# Altium PCB STM32最小系统.PcbDoc (part 2 of 4) (continued)
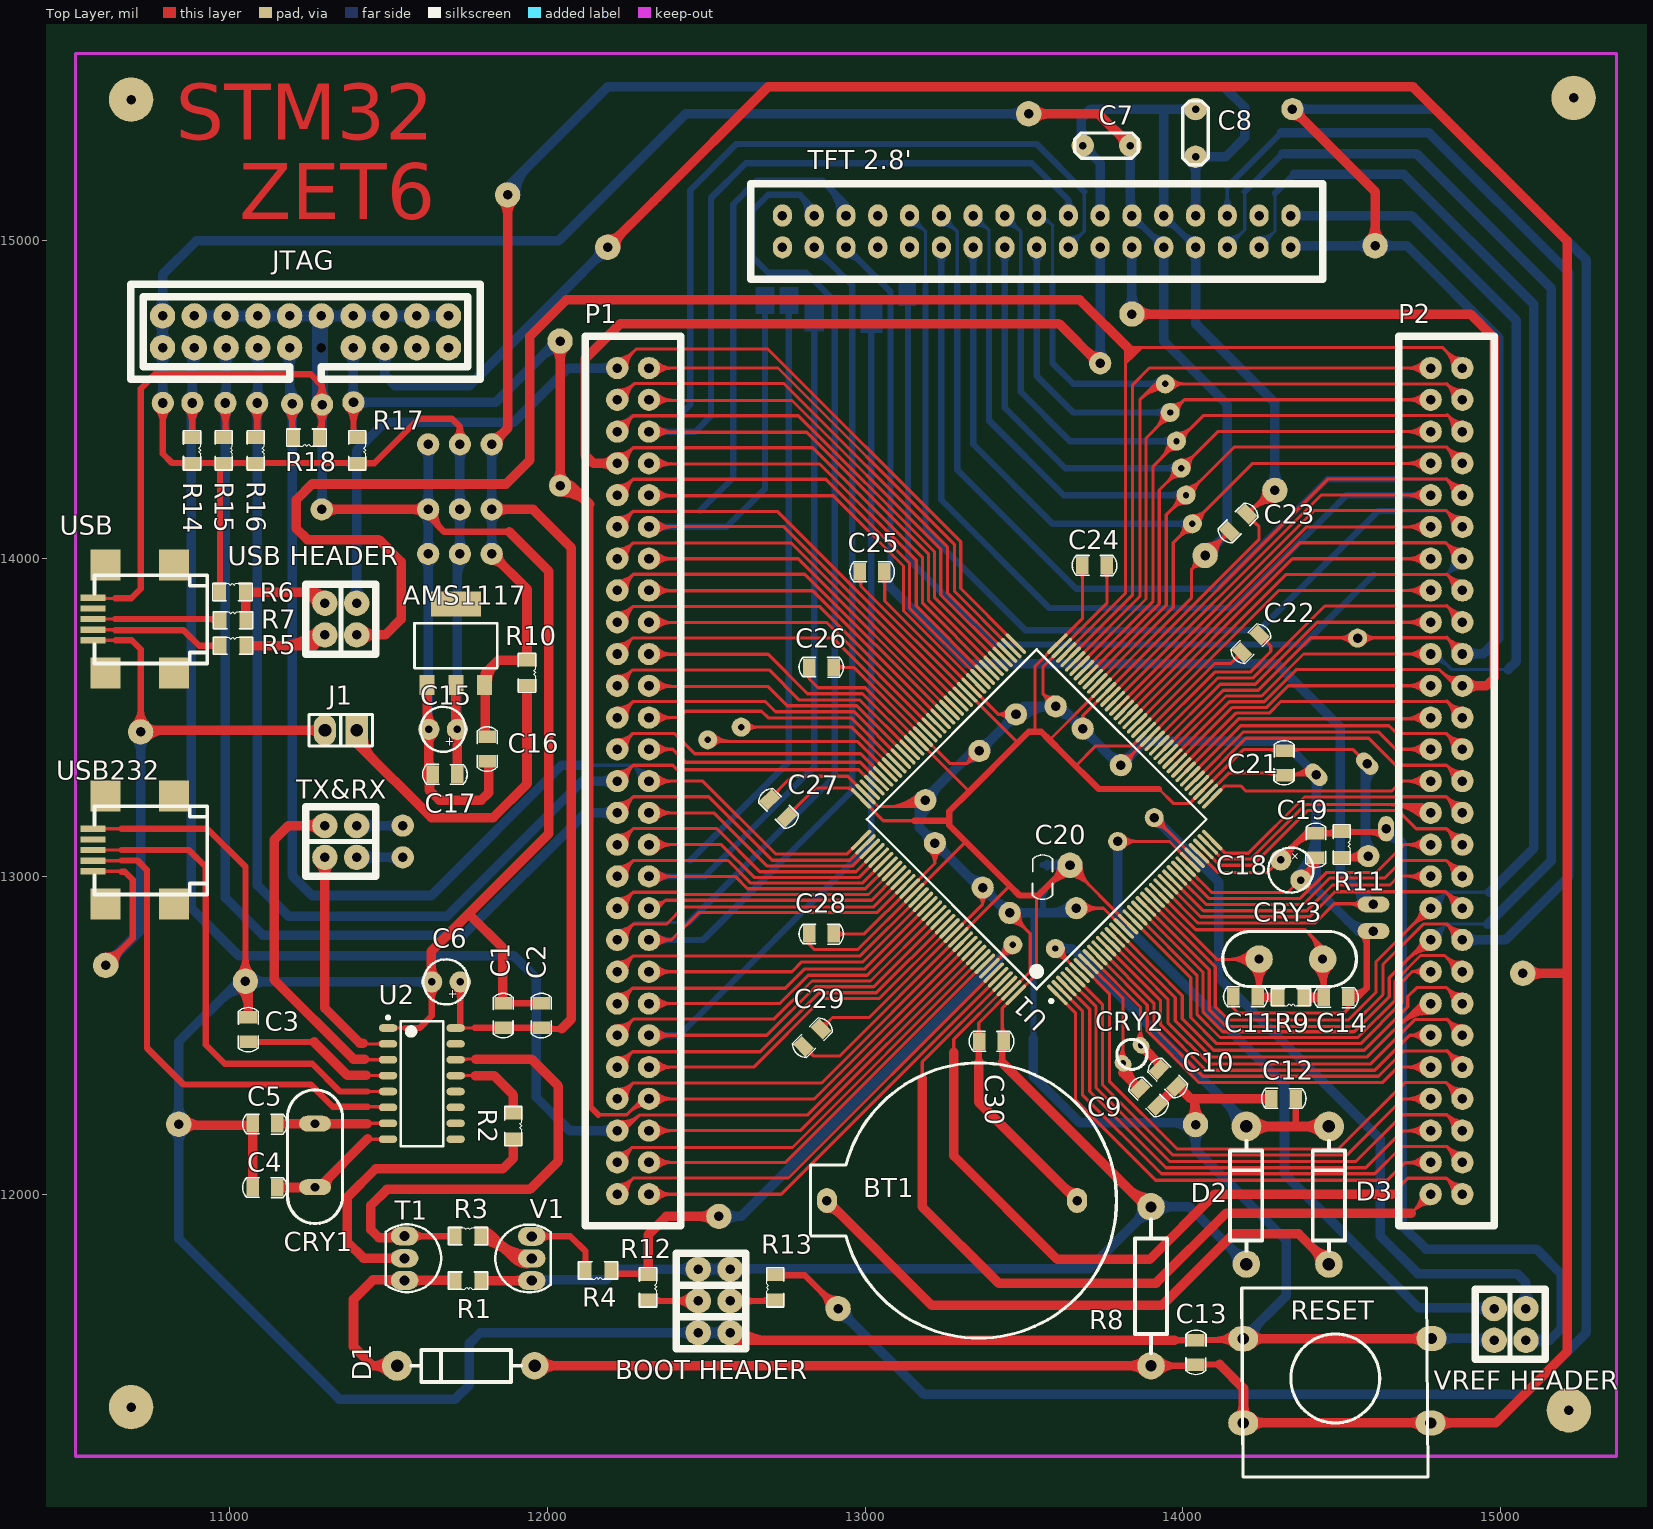
[diagram p0: Top Layer view]
## Nets (pads, with @x,y where several pads share a name; then routed paths per layer and width w, separated by ;. In a path a pad name is that pad's centre, name@x,y a point inside that pad or via, vN(x,y) a via of type N, cw(c..) or ccw(c..) an arc to the next point about the centre after c; other vN are vias at no path point) (continued)
  Bottom Layer w50: pad.13@11285,14487 JTAG.12@11285,14731 ; 11285,14523.63 ccw(c11329.63,14523.63) 11298.07,14492.07 cw(c11329.63,14523.63) 11285,14523.63 ; 11285,14718.13 cw(c11334.87,14718.13) 11299.61,14753.39 ccw(c11334.87,14718.13) 11285,14718.13
JTCK: JTAG.9 P1.27 pad.12@11197,14487 R18.2 U1.109 | length 5348.1
  Top Layer w10: P1.27@12320,13300 12489,13300 12718,13071 12943.82,13071 U1.109@12987.4,13114.58 ; 12368.28,13300 cw(c12368.28,13348.28) 12334.14,13314.14 ccw(c12368.28,13348.28) 12368.28,13300 ; 12368.28,13300 ccw(c12368.28,13251.72) 12334.14,13285.86 cw(c12368.28,13251.72) 12368.28,13300 ; 12392.43,13300 cw(c12392.43,13372.43) 12341.21,13321.21 ccw(c12392.43,13372.43) 12392.43,13300 ; 12392.43,13300 ccw(c12392.43,13227.57) 12341.21,13278.79 cw(c12392.43,13227.57) 12392.43,13300
  Top Layer w20: pad.12@11197,14487 11197,14388 R18.2@11201,14384 ; 11197,14426.64 cw(c11257.36,14426.64) 11214.68,14469.32 ccw(c11257.36,14426.64) 11197,14426.64 ; 11197,14426.64 ccw(c11136.64,14426.64) 11179.32,14469.32 cw(c11136.64,14426.64) 11197,14426.64 ; 11197,14426.3 ccw(c11237.45,14426.3) 11208.85,14397.69 cw(c11237.45,14426.3) 11197,14426.3
  Bottom Layer w10: 12120,13350 12270,13350 ; P1.27@12320,13300 12270,13350 ; 12270,13350 cw(c12221.69,13301.69) 12290,13300.51 ccw(c12221.69,13301.69) 12270,13350 ; 12270,13350 ccw(c12318.31,13398.31) 12319.49,13330 cw(c12318.31,13398.31) 12270,13350 ; 12286.67,13333.33 cw(c12254.46,13301.12) 12300,13300.34 ccw(c12254.46,13301.12) 12286.67,13333.33 ; 12286.67,13333.33 ccw(c12318.88,13365.54) 12319.66,13320 cw(c12318.88,13365.54) 12286.67,13333.33
  Bottom Layer w30: JTAG.9@11189,14664 11189,14491 pad.12@11195,14485 ; pad.12@11197,14487 11197,13003 11260,12940 11635,12940 12045,13350 12120,13350 ; 11189,14603.64 cw(c11249.36,14603.64) 11206.68,14646.32 ccw(c11249.36,14603.64) 11189,14603.64 ; 11189,14603.64 ccw(c11128.64,14603.64) 11171.32,14646.32 cw(c11128.64,14603.64) 11189,14603.64 ; 11197,14438.72 cw(c11245.28,14438.72) 11211.14,14472.86 ccw(c11245.28,14438.72) 11197,14438.72 ; 11197,14438.72 ccw(c11148.72,14438.72) 11182.86,14472.86 cw(c11148.72,14438.72) 11197,14438.72 ; 11189,14554.6 ccw(c11264.6,14554.6) 11211.14,14501.14 cw(c11264.6,14554.6) 11189,14554.6
JTDI: JTAG.5 P1.26 pad.9@10987,14490 R15.1 U1.110 | length 5468.8
  Top Layer w10: P1.26@12220,13200 12271,13251 ; U1.110@13001.32,13100.66 12951.66,13051 12708,13051 12508,13251 12271,13251 ; 12254,13234 cw(c12220.2,13267.79) 12220.06,13220 ccw(c12220.2,13267.79) 12254,13234 ; 12254,13234 ccw(c12287.79,13200.2) 12240,13200.06 cw(c12287.79,13200.2) 12254,13234 ; 12271,13251 cw(c12220.3,13301.69) 12220.09,13230 ccw(c12220.3,13301.69) 12271,13251 ; 12271,13251 ccw(c12321.69,13200.3) 12250,13200.09 cw(c12321.69,13200.3) 12271,13251
  Top Layer w20: R15.1@10987,14382 pad.9@10987,14490 ; 10987,14429.64 cw(c11047.36,14429.64) 11004.68,14472.32 ccw(c11047.36,14429.64) 10987,14429.64 ; 10987,14429.64 ccw(c10926.64,14429.64) 10969.32,14472.32 cw(c10926.64,14429.64) 10987,14429.64 ; 10987,14416.07 ccw(c11026.92,14416.07) 10998.69,14387.85 cw(c11026.92,14416.07) 10987,14416.07
  Top Layer w30: R15.1@10987,14382 R15.1@10989,14380
  Bottom Layer w30: pad.9@10987,14490 10987,12933 11105,12815 11735,12815 12120,13200 P1.26@12220,13200 ; JTAG.5@10989,14664 10989,14487 pad.9@10992,14487 ; 10987,14441.72 cw(c11035.28,14441.72) 11001.14,14475.86 ccw(c11035.28,14441.72) 10987,14441.72 ; 10987,14441.72 ccw(c10938.72,14441.72) 10972.86,14475.86 cw(c10938.72,14441.72) 10987,14441.72 ; 10989,14603.64 cw(c11049.36,14603.64) 11006.68,14646.32 ccw(c11049.36,14603.64) 10989,14603.64 ; 10989,14603.64 ccw(c10928.64,14603.64) 10971.32,14646.32 cw(c10928.64,14603.64) 10989,14603.64 ; 12171.72,13200 cw(c12171.72,13151.72) 12205.86,13185.86 ccw(c12171.72,13151.72) 12171.72,13200 ; 12171.72,13200 ccw(c12171.72,13248.28) 12205.86,13214.14 cw(c12171.72,13248.28) 12171.72,13200 ; pad.9@10972.86,14504.14 ccw(c10933.89,14543.11) 10989,14543.11 cw(c10933.89,14543.11) pad.9@10972.86,14504.14 ; 10989,14533.46 ccw(c11030.46,14533.46) 11001.14,14504.14 cw(c11030.46,14533.46) 10989,14533.46
JTDO: JTAG.13 P1.7 pad.3@12040,14230 pad.11@11390,14492 pad.27 R17.1 U1.133 | length 7331
  Top Layer w10: pad.3@12025,14220 pad.3@12040,14230 ; 12160,12250 12250,12250 12300,12300 P1.7@12320,12300 12840.95,12300 U1.133@13321.47,12780.51 ; 12368.28,12300 cw(c12368.28,12348.28) 12334.14,12314.14 ccw(c12368.28,12348.28) 12368.28,12300 ; 12368.28,12300 ccw(c12368.28,12251.72) 12334.14,12285.86 cw(c12368.28,12251.72) 12368.28,12300 ; 12392.43,12300 cw(c12392.43,12372.43) 12341.21,12321.21 ccw(c12392.43,12372.43) 12392.43,12300 ; 12392.43,12300 ccw(c12392.43,12227.57) 12341.21,12278.79 cw(c12392.43,12227.57) 12392.43,12300 ; 12255.86,12255.86 cw(c12314.49,12197.23) 12318.93,12280.03 ccw(c12314.49,12197.23) 12255.86,12255.86 ; 12271.72,12271.72 cw(c12316.11,12227.33) 12319.46,12290.01 ccw(c12316.11,12227.33) 12271.72,12271.72 ; 12282.93,12282.93 ccw(c12265.86,12300) 12290,12300 cw(c12265.86,12300) 12282.93,12282.93
  Top Layer w20: R17.1@11390,14386 pad.11@11390,14492 ; 12130,12280 12160,12250 ; 11390,14431.64 cw(c11450.36,14431.64) 11407.68,14474.32 ccw(c11450.36,14431.64) 11390,14431.64 ; 11390,14431.64 ccw(c11329.64,14431.64) 11372.32,14474.32 cw(c11329.64,14431.64) 11390,14431.64 ; 11390,14409.59 ccw(c11420.75,14409.59) 11399.01,14387.85 cw(c11420.75,14409.59) 11390,14409.59
  Top Layer w30: R17.1@11390,14386 R17.1@11396,14380 ; pad.3@12025,14220 12085,14220 ; pad.3@12040,14230 pad.27@12040,14685 ; 12130,12280 12130,14175 12085,14220 ; 12040,14278.28 cw(c11991.72,14278.28) 12025.86,14244.14 ccw(c11991.72,14278.28) 12040,14278.28 ; 12040,14278.28 ccw(c12088.28,14278.28) 12054.14,14244.14 cw(c12088.28,14278.28) 12040,14278.28 ; 12040,14624.64 cw(c12100.36,14624.64) 12057.68,14667.32 ccw(c12100.36,14624.64) 12040,14624.64 ; 12040,14624.64 ccw(c11979.64,14624.64) 12022.32,14667.32 cw(c11979.64,14624.64) 12040,14624.64 ; 12085,14220 cw(c12085,14248.75) 12058.46,14237.69 ccw(c12085,14248.75) 12085,14220 ; pad.3@12040,14210 cw(c12040,14077.22) 12133.89,14171.11 ccw(c12040,14077.22) pad.3@12040,14210 ; pad.3@12040,14240 cw(c12040,14179.64) 12082.68,14222.32 ccw(c12040,14179.64) pad.3@12040,14240 ; pad.3@12048.52,14211.91 cw(c12068.82,14168.83) 12102.5,14202.5 ccw(c12068.82,14168.83) pad.3@12048.52,14211.91
  Bottom Layer w30: pad.11@11389,14501 JTAG.13@11389,14664 ; pad.11@11390,14492 11837,14492 pad.27@12035,14690 ; 11389,14603.64 cw(c11449.36,14603.64) 11406.68,14646.32 ccw(c11449.36,14603.64) 11389,14603.64 ; 11389,14603.64 ccw(c11328.64,14603.64) 11371.32,14646.32 cw(c11328.64,14603.64) 11389,14603.64 ; pad.11@11404.14,14506.14 ccw(c11438.28,14540.28) 11438.28,14492 ; pad.11@11404.14,14506.14 cw(c11440.7,14542.7) 11389,14542.7 ccw(c11440.7,14542.7) pad.11@11404.14,14506.14 ; pad.11@11404.14,14506.14 ccw(c11438.28,14540.28) 11438.28,14492 ; 11438.28,14492 ccw(c11438.28,14443.72) 11404.14,14477.86 cw(c11438.28,14443.72) 11438.28,14492 ; pad.11@11375.86,14506.14 ccw(c11344.13,14537.87) 11389,14537.87 cw(c11344.13,14537.87) pad.11@11375.86,14506.14 ; 11980.25,14635.25 cw(c12040,14575.5) 12040,14660 ccw(c12040,14575.5) 11980.25,14635.25 ; 12004.39,14659.39 ccw(c11978.79,14685) 12015,14685 cw(c11978.79,14685) 12004.39,14659.39
JTMS: JTAG.7 P1.28 pad.10@11087,14490 R16.1 U1.105 | length 5265.7
  Top Layer w10: P1.28@12220,13300 12270,13350 ; 12396,13349 12395,13350 ; U1.105@13029.16,13287.18 12980.67,13335.67 12409.33,13335.67 12395,13350 ; 12253.33,13333.33 cw(c12221.12,13365.54) 12220.34,13320 ccw(c12221.12,13365.54) 12253.33,13333.33 ; 12253.33,13333.33 ccw(c12285.54,13301.12) 12240,13300.34 cw(c12285.54,13301.12) 12253.33,13333.33 ; 12270,13350 cw(c12221.69,13398.31) 12220.51,13330 ccw(c12221.69,13398.31) 12270,13350 ; 12270,13350 ccw(c12318.31,13301.69) 12250,13300.51 cw(c12318.31,13301.69) 12270,13350 ; 12270,13350 12395,13350
  Top Layer w20: R16.1@11087,14388 pad.10@11087,14490 ; 11087,14429.64 cw(c11147.36,14429.64) 11104.68,14472.32 ccw(c11147.36,14429.64) 11087,14429.64 ; 11087,14429.64 ccw(c11026.64,14429.64) 11069.32,14472.32 cw(c11026.64,14429.64) 11087,14429.64 ; 11087,14416.07 ccw(c11126.92,14416.07) 11098.69,14387.85 cw(c11126.92,14416.07) 11087,14416.07
  Top Layer w30: R16.1@11086,14387 R16.1@11087,14388
  Bottom Layer w30: pad.10@11087,14490 pad.10@11087,14489 ; JTAG.7@11089,14664 11089,14491 pad.10@11087,14489 ; P1.28@12220,13300 12110,13300 11685,12875 11185,12875 11087,12973 pad.10@11087,14489 ; 11087,14441.72 cw(c11135.28,14441.72) 11101.14,14475.86 ccw(c11135.28,14441.72) 11087,14441.72 ; 11087,14441.72 ccw(c11038.72,14441.72) 11072.86,14475.86 cw(c11038.72,14441.72) 11087,14441.72 ; 11089,14603.64 cw(c11149.36,14603.64) 11106.68,14646.32 ccw(c11149.36,14603.64) 11089,14603.64 ; 11089,14603.64 ccw(c11028.64,14603.64) 11071.32,14646.32 cw(c11028.64,14603.64) 11089,14603.64 ; 12171.72,13300 cw(c12171.72,13251.72) 12205.86,13285.86 ccw(c12171.72,13251.72) 12171.72,13300 ; 12171.72,13300 ccw(c12171.72,13348.28) 12205.86,13314.14 cw(c12171.72,13348.28) 12171.72,13300 ; pad.10@11072.86,14504.14 ccw(c11033.89,14543.11) 11089,14543.11 cw(c11033.89,14543.11) pad.10@11072.86,14504.14 ; 11089,14533.46 ccw(c11130.46,14533.46) 11101.14,14504.14 cw(c11130.46,14533.46) 11089,14533.46
JTRST: JTAG.3 P1.6 pad.8@10883,14490 R14.1 U1.134 | length 6355.9
  Top Layer w10: P1.6@12220,12200 12240,12200 12289,12249 ; U1.134@13335.38,12766.59 12817.79,12249 12289,12249 ; 12289,12249 cw(c12238.85,12299.15) 12225.6,12229.47 ccw(c12238.85,12299.15) 12289,12249 ; P1.6@12221.87,12209.82 ccw(c12230.31,12254.23) 12262.27,12222.27 cw(c12230.31,12254.23) P1.6@12221.87,12209.82 ; P1.6@12223.73,12219.65 ccw(c12234.58,12276.69) 12275.63,12235.63 cw(c12234.58,12276.69) P1.6@12223.73,12219.65 ; P1.6@12250,12200 cw(c12274.14,12200) 12257.07,12217.07 ccw(c12274.14,12200) P1.6@12250,12200
  Top Layer w20: R14.1@10883,14379 pad.8@10883,14490 ; 10883,14429.64 cw(c10943.36,14429.64) 10900.68,14472.32 ccw(c10943.36,14429.64) 10883,14429.64 ; 10883,14429.64 ccw(c10822.64,14429.64) 10865.32,14472.32 cw(c10822.64,14429.64) 10883,14429.64 ; R14.1@10875.15,14387.85 ccw(c10856.2,14406.8) 10883,14406.8 cw(c10856.2,14406.8) R14.1@10875.15,14387.85 ; 10883,14401.97 ccw(c10902.97,14401.97) 10888.85,14387.85 cw(c10902.97,14401.97) 10883,14401.97
  Top Layer w30: JTAG.3@10882,14660 JTAG.3@10888,14666
  Bottom Layer w30: pad.8@10880,14495 10880,12900 11030,12750 11895,12750 11965,12680 11965,12305 12070,12200 P1.6@12215,12200 ; pad.8@10882,14498 JTAG.3@10882,14660 ; 12171.72,12200 cw(c12171.72,12151.72) 12205.86,12185.86 ccw(c12171.72,12151.72) 12171.72,12200 ; 12171.72,12200 ccw(c12171.72,12248.28) 12205.86,12214.14 cw(c12171.72,12248.28) 12171.72,12200 ; pad.8@10868.86,14475.86 cw(c10841.96,14448.96) 10880,14448.96 ccw(c10841.96,14448.96) pad.8@10868.86,14475.86 ; pad.8@10868.86,14504.14 ccw(c10837.13,14535.87) 10882,14535.87 cw(c10837.13,14535.87) pad.8@10868.86,14504.14 ; JTAG.3@10871.32,14646.32 cw(c10845.54,14620.54) 10882,14620.54 ccw(c10845.54,14620.54) JTAG.3@10871.32,14646.32 ; 10880,14434.47 cw(c10938.53,14434.47) 10897.14,14475.86 ccw(c10938.53,14434.47) 10880,14434.47 ; 10882,14540.7 ccw(c10933.7,14540.7) 10897.14,14504.14 cw(c10933.7,14540.7) 10882,14540.7 ; 10882,14586.75 cw(c10966.25,14586.75) 10906.68,14646.32 ccw(c10966.25,14586.75) 10882,14586.75
"LCD BL": "TFT 2.8'.23" P2.33 pad.10@13840,14770 U1.46 | length 4590.8
  Top Layer w10: U1.46@13967.33,13370.7 14146.63,13550 14256,13550 14357,13651 14808,13651 14859,13600 P2.33@14880,13600 14885,13600 P2.33@14900,13600 ; 14818.5,13640.5 ccw(c14854.15,13676.15) 14870.36,13628.41 cw(c14854.15,13676.15) 14818.5,13640.5 ; 14829.87,13629.13 ccw(c14859.91,13659.17) 14873.57,13618.94 cw(c14859.91,13659.17) 14829.87,13629.13 ; 14841.24,13617.76 ccw(c14865.68,13642.19) 14876.79,13609.47 cw(c14865.68,13642.19) 14841.24,13617.76 ; 14843.64,13615.36 cw(c14828.27,13600) 14850,13600 ccw(c14828.27,13600) 14843.64,13615.36
  Top Layer w30: pad.10@13840,14770 14905,14770 14980,14695 14980,13625 14955,13600 P2.33@14885,13600 ; 13900.36,14770 cw(c13900.36,14830.36) 13857.68,14787.68 ccw(c13900.36,14830.36) 13900.36,14770 ; 13900.36,14770 ccw(c13900.36,14709.64) 13857.68,14752.32 cw(c13900.36,14709.64) 13900.36,14770 ; 14928.28,13600 cw(c14928.28,13648.28) 14894.14,13614.14 ccw(c14928.28,13648.28) 14928.28,13600 ; 14928.28,13600 ccw(c14928.28,13551.72) 14894.14,13585.86 cw(c14928.28,13551.72) 14928.28,13600
  Bottom Layer w10: pad.10@13840,14775 pad.10@13845,14770
  Bottom Layer w30: pad.10@13840,14775 13840,14980 ; 13840,14830.36 cw(c13779.64,14830.36) 13822.32,14787.68 ccw(c13779.64,14830.36) 13840,14830.36 ; 13840,14830.36 ccw(c13900.36,14830.36) 13857.68,14787.68 cw(c13900.36,14830.36) 13840,14830.36 ; 13840,14938.79 cw(c13876.21,14938.79) 13850.61,14964.39 ccw(c13876.21,14938.79) 13840,14938.79 ; 13840,14938.79 ccw(c13803.79,14938.79) 13829.39,14964.39 cw(c13803.79,14938.79) 13840,14938.79
"NetBOOT HEADER_3": "BOOT HEADER.3" R12.2 | length 429.4
  Top Layer w20: R12.2@12326,11664 12475,11664 ; 12402.57,11664 cw(c12402.57,11591.57) 12453.79,11642.79 ccw(c12402.57,11591.57) 12402.57,11664 ; 12402.57,11664 ccw(c12402.57,11736.43) 12453.79,11685.21 cw(c12402.57,11736.43) 12402.57,11664 ; R12.2@12333.69,11673.85 ccw(c12357.47,11697.62) 12357.47,11664 cw(c12357.47,11697.62) R12.2@12333.69,11673.85
"NetBOOT HEADER_4": "BOOT HEADER.4" R13.1 | length 412.4
  Top Layer w20: 12575,11664 R13.1@12707,11664 ; 12647.43,11664 cw(c12647.43,11736.43) 12596.21,11685.21 ccw(c12647.43,11736.43) 12647.43,11664 ; 12647.43,11664 ccw(c12647.43,11591.57) 12596.21,11642.79 cw(c12647.43,11591.57) 12647.43,11664 ; 12676.53,11664 ccw(c12676.53,11697.62) 12700.31,11673.85 cw(c12676.53,11697.62) 12676.53,11664
NetBT1_1: BT1.1 D3.1 | length 2156.3
  Top Layer w30: BT1.1@12880,11980 13210,11650 13935,11650 14160,11875 14365,11875 D3.1@14460,11780 ; 14411.68,11828.32 cw(c14363.35,11780) 14431.69,11780 ccw(c14363.35,11780) 14411.68,11828.32 ; 14411.68,11828.32 ccw(c14460,11876.65) 14460,11808.31 cw(c14460,11876.65) 14411.68,11828.32 ; BT1.1@12880,11955.63 cw(c12880,11896.8) 12921.6,11938.4 ccw(c12880,11896.8) BT1.1@12880,11955.63
NetC3_1: C3.1 U2.4 | length 609.3
  Top Layer w10: 11433,12373 U2.4@11498.7,12373 ; 11464.8,12373 cw(c11464.8,12356.1) 11476.75,12368.05 ccw(c11464.8,12356.1) 11464.8,12373 ; 11464.8,12373 ccw(c11464.8,12389.9) 11476.75,12377.95 cw(c11464.8,12389.9) 11464.8,12373
  Top Layer w20: C3.1@11059,12479 11266,12479 ; 11430,12373 11433,12373 ; 11090.26,12479 cw(c11090.26,12502.38) 11073.72,12485.85 ccw(c11090.26,12502.38) 11090.26,12479 ; 11090.26,12479 ccw(c11090.26,12455.62) 11073.72,12472.15 cw(c11090.26,12455.62) 11090.26,12479
  Top Layer w30: 11266,12479 11370,12375 11430,12375